# Altium PCB AUAV_X05.PcbDoc (part 2 of 5)
Units mm, origin at the board's own origin, x right, y up, seen from the top; angles counter-clockwise.
Board outline 44.99 x 99.99 mm, 4 copper layers (Top Layer, Int1 Layer, Int2 Layer, Bottom Layer), stack 1.587 mm thick; 376 components, 270 nets, 1466 pads, 1242 vias.
Unrouted connection lines stored in the file: 2.
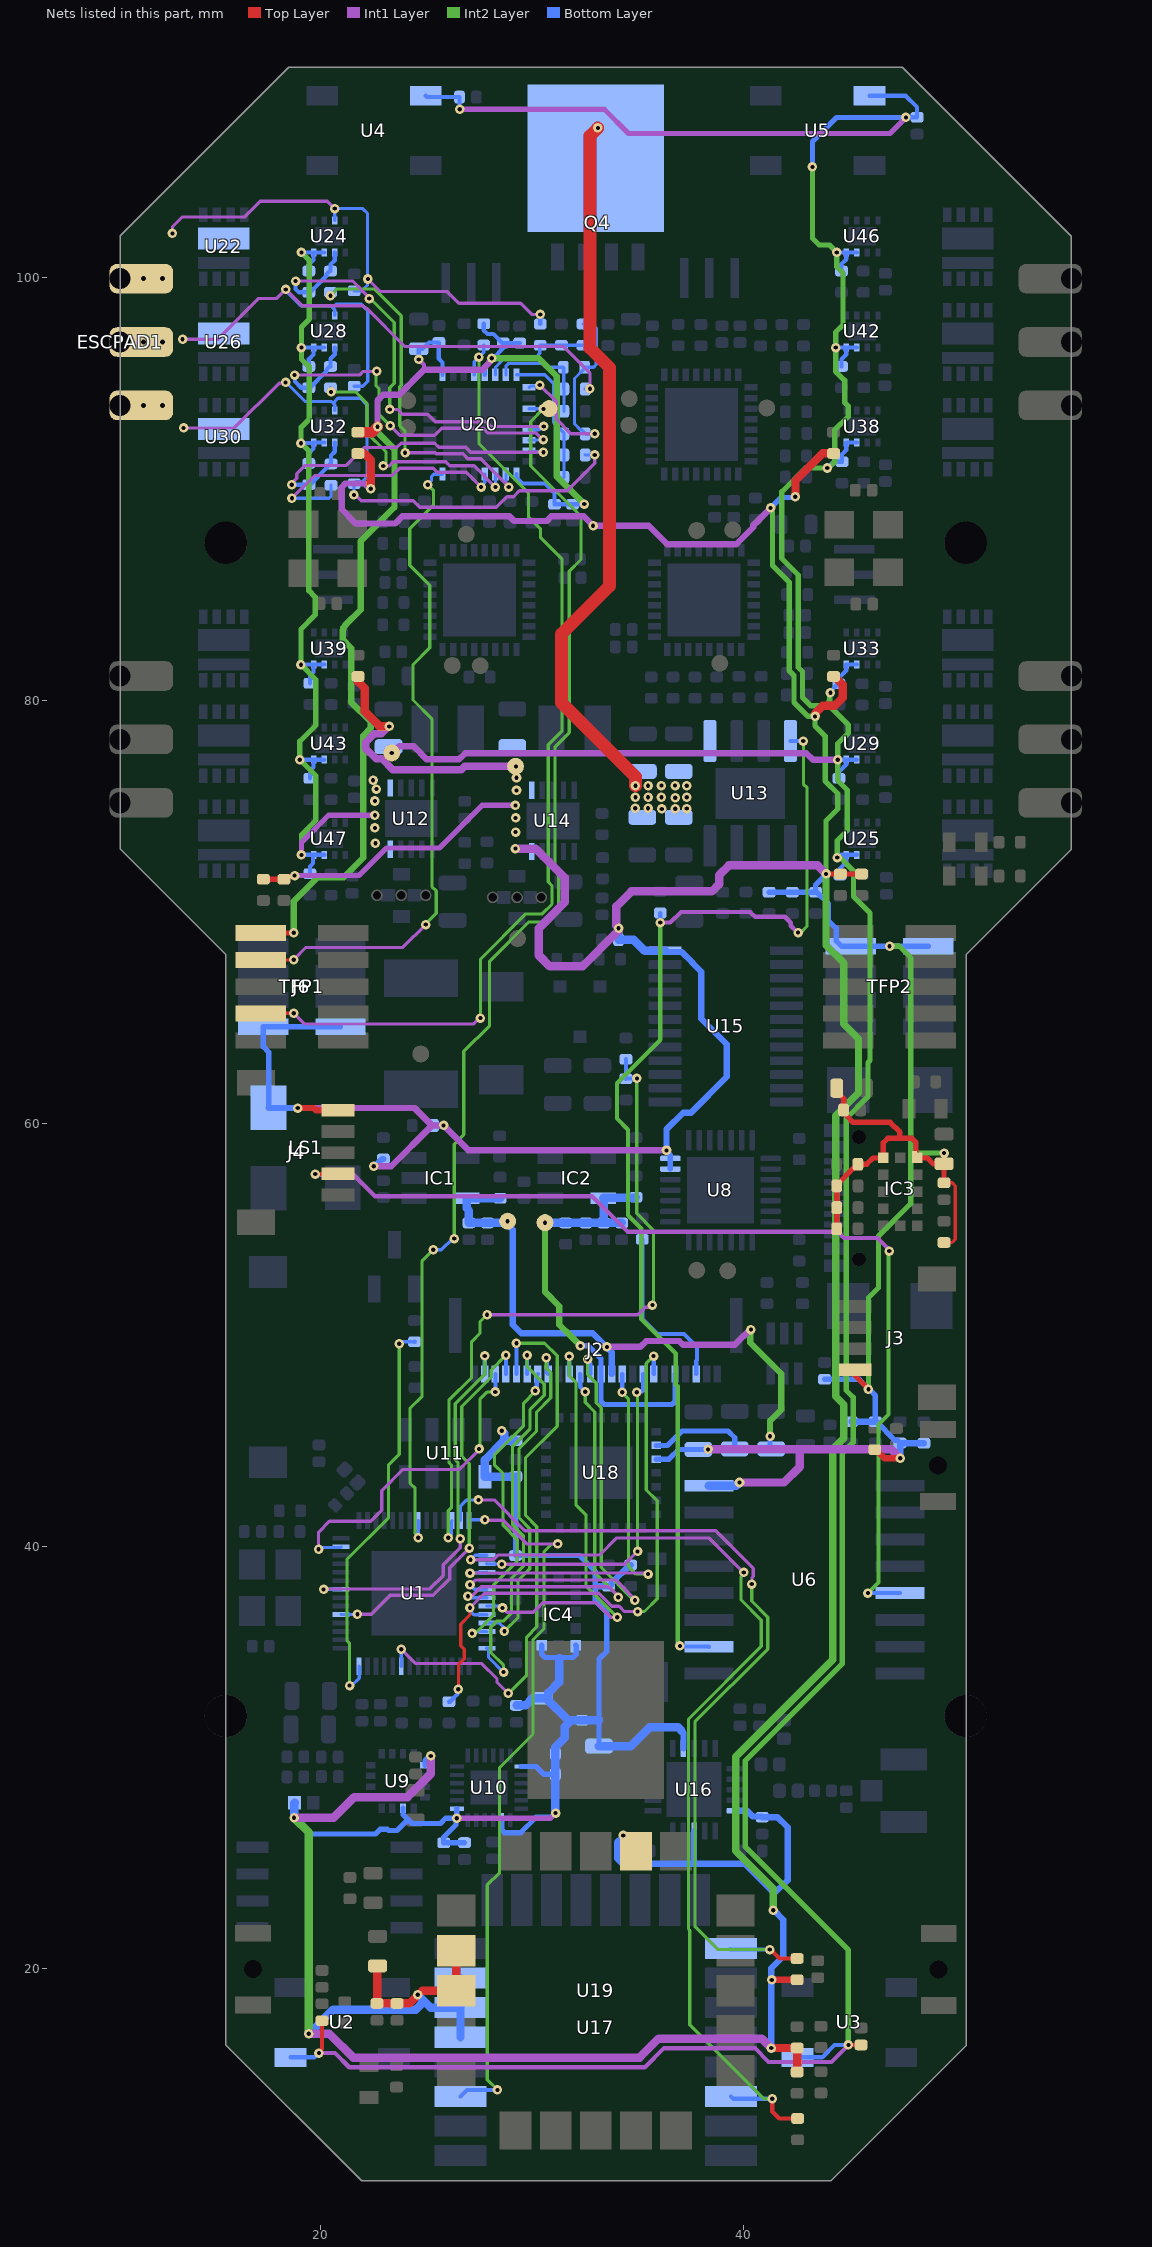
[diagram p4: the nets of this part, all layers, seen from the top]

## Part data
B1: Mfr_Name="Keystone Electronics", C="Copyright (C) 2018 Accelerated Designs. All rights reserved", Copyright="Copyright (C) 2022 Ultra Librarian. All rights reserved.", Manufacturer_Part_Number=1042P
C1 C2 C3 C4 C5 C6 C7 C8 C9 C10 C13 C14 C15 C16 C17 C18 C19 C20 C21 C23 C25 C26 C27 C28 C29 C30 C32 C33 C40 C44 C47 C48 C49 C50 C51 C52 C53 C55 C56 C58 C59 C61 C62 C63 C64 C65 C70 C72 C73 C74 C76 C78 C79 C80 C82 C83 C84 C85 C86 C88 C89 C90 C91 C92 C93 C94 C95 C96 C98 C100 C101 C102 C104 C105 C106 C107 C108 C110 C111 C112 C113 C114 C115 C116 C117 C118: library part CAP0402, "CAP CER 8PF 50V C0G 0402", 3DR_PARTNO=ECM0710, PARTNO=C1005C0G1H080C, Supplier Part Number 1=445-4890-1-ND, Supplier 1=Digi-Key
C11 C12 C34 C35 C36 C37 C38 C39 C41 C42 C43 C45 C46 C60 C67 C68 C69: library part CAP0805, "CAP CER 4.7UF 16V 10% X7R 0805", 3DR_PARTNO=ECM0622, PARTNO=CL21B475KOFNNNE, Supplier Part Number 1=1276-2873-1-ND, DATASHEET=http://www.digikey.com/product-detail/en/CL21B475KOFNNNE/1276-2873-2-ND/3888531, Supplier 1=Digi-Key
C22 C24 C31 C54 C57 C66 C71 C81 C87 C103 C109: library part CAP0603, "CAP CER 2.2UF 16V 10% X6S 0603", 3DR_PARTNO=ECM0619, PARTNO=C1608X6S1C225K080AC, Supplier Part Number 1=445-7438-1-ND, Supplier 1=Digi-Key
C75 C77 C97 C99: Manufacturer_Part_Number=T491A106K010AT, Mfr_Name=Kemet, Copyright="Copyright (C) 2022 Ultra Librarian. All rights reserved.", Digi-Key_Part_Number_1=399-3684-1-ND, Digi-Key_Part_Number_2=399-3684-2-ND, Digi-Key_Part_Number_3=399-3684-6-ND
D1: "Diode", Manufacturer_Name=Nexperia, Mouser Part Number=N/A, Datasheet Link=https://assets.nexperia.com/documents/data-sheet/PMEG3050BEP.pdf, Height=1mm, Manufacturer_Part_Number=PMEG3050BEP, Mouser Price/Stock=https://www.mouser.com/Search/Refine.aspx?Keyword=N%2FA
E1: "2.4GHz Chip RF Antenna 2.4GHz ~ 2.5GHz 2.2dBi Solder Surface Mount", Package="FBGA-1152 Johanson Technology", Availability=Unavailable, MF="Johanson Technology", MP=2450AT45A100E, Price=None, SnapEDA_Link=https://www.snapeda.com/parts/2450AT45A100E/Johanson%20Technology%20Inc./view-part/105265/?ref=snap
F1: Mfr_Name=Belfuse, Copyright="Copyright (C) 2022 Ultra Librarian. All rights reserved.", Digi-Key_Part_Number_1=507-1777-1-ND, Digi-Key_Part_Number_2=507-1777-2-ND, Digi-Key_Part_Number_3=507-1777-6-ND, Manufacturer_Part_Number=0ZCG0200FF2C
FB1: library part BLM15EX331SN1D, "0402 (1005) 330OHM 25% 1100MA", Current Rating (Max)=1.1A, Device Package="0402 (1005 Metric)", Manufacturer="Murata Electronics", Operating Temperature="-55°C ~ 125°C", Supplier Part Number 1=490-18371-1-ND, ComponentLink1Description=Datasheet, ComponentLink1URL=https://www.murata.com/en-us/products/productdata/8796750970910/ENFA0023.pdf, componentlink2description="DigiKey Link", componentlink2url=http://digikey.com/product-detail/en/murata-electronics/BLM15EX331SN1D/490-18371-1-ND/9955444, Filter Type="Signal Line", Height (Max)="0.022\" (0.55mm)", lastupdated="02-09-2020 01:18:11", Lifecycle Status=Active, Minimum Order=1, Mounting Type="Surface Mount", Number of Lines=1, Package / Case="0402 (1005 Metric)", packaging=TapeAndReel, Part Number=BLM15EX331SN1D, Part Status=Active, partid=364, Price=0.06, Size / Dimension="0.039\" L x 0.022\" W (1.00mm x 0.55mm)", Supplier 1=DigiKey
FL1 FL2: "SMD Capacitor with Capacitance: 0.22uF Tol. 20%. Rated Voltage: 10Vdc", Package=NONSTANDARD, Digi-Key_Part_Number=490-14852-1-ND, MF=Murata, MP=NFM21HC224R1A3D, SnapEDA_Link=https://www.snapeda.com/parts/NFM21HC224R1A3D/Murata/view-part/4381694/?ref=snap
IC1 IC2: "Integrated Circuit", Manufacturer_Name=SGMICRO, Height=1.25mm, Manufacturer_Part_Number=SGM2019-ADJYN5G-TR
IC3 IC4: "Integrated Circuit", Manufacturer_Name=STMicroelectronics, Datasheet Link=https://www.st.com/resource/en/datasheet/vl53l1x.pdf, Height=1.6mm, Manufacturer_Part_Number=VL53L1X
J1: "USB-C (USB TYPE-C) USB 2.0 Receptacle Connector 24 (16+8 Dummy) Position Surface Mount, Right Angle; Through Hole", Package=None, Availability=Warning, Check_prices=https://www.snapeda.com/parts/USB4110-GF-A/Global%20Connector%20Technology/view-part/4001167/?ref=eda, MF=GCT, MP=USB4110-GF-A, Price=None, Purchase-URL=https://pricing.snapeda.com/search/part/USB4110-GF-A/?ref=eda, SnapEDA_Link=https://www.snapeda.com/parts/USB4110-GF-A/Global%20Connector%20Technology/view-part/4001167/?ref=snap
J2: "CONN FFC FPC 24POS 0.50MM R/A", Manufacturer=Molex, Material Flammability Rating="UL94 V-0", Operating Temperature="-20°C ~ 85°C", Supplier Part Number 1=WM6240CT-ND, Voltage Rating=50V, Cable End Type="Straight, Tapered", ComponentLink1Description=Datasheet, ComponentLink1URL=https://www.molex.com/pdm_docs/sd/512810794_sd.pdf, componentlink2description="DigiKey Link", componentlink2url=http://digikey.com/product-detail/en/molex/0512812494/WM6240CT-ND/2185198, Connector/Contact Type="Contacts, Top and Bottom", Contact Finish=Gold, Contact Material="Phosphor Bronze", Features="Solder Retention", FFC, FCB Thickness=0.30mm, Flat Flex Type="FFC, FPC", Height Above Board="0.047\" (1.20mm)", Housing Material="Liquid Crystal Polymer (LCP), Glass Filled", lastupdated="26-05-2020 12:28:11", Lifecycle Status=Active, Minimum Order=1, Mounting Type="Surface Mount, Right Angle", Number of Positions=24, packaging=TapeAndReel, Part Number=0512812494, Part Status=Active, Pitch="0.020\" (0.50mm)", Price=0.71, series=51281, Supplier 1=DigiKey, Termination=Solder
J3: "Connector Header Surface Mount, Right Angle 4 position 0.039 _1.00mm_", Package=None, Availability=Unavailable, MF="JST Sales", MP=SM04B-SRSS-TB_LF__SN_, Price=None, SnapEDA_Link=https://www.snapeda.com/parts/SM04B-SRSS-TB%28LF%29%28SN%29/JST%20Sales%20America%20Inc./view-part/557466/?ref=snap
J4: "Connector Header Surface Mount, Right Angle 5 position 0.039 (1.00mm)", Package=None, Availability="In Stock", Check_prices=https://www.snapeda.com/parts/SM05B-SRSS-TB(LF)(SN)/JST+Sales+America+Inc./view-part/?ref=eda, MF="JST Sales", MP=SM05B-SRSS-TB(LF)(SN), Price=None, SnapEDA_Link=https://www.snapeda.com/parts/SM05B-SRSS-TB(LF)(SN)/JST+Sales+America+Inc./view-part/?ref=snap
J5: "MHF1 Straight Surface Mount Jack, Tape and Reel", Package=None, Availability="In Stock", Check_prices=https://www.snapeda.com/parts/CONUFL001-SMD-T/Linx+Technologies+Inc./view-part/?ref=eda, MF="Linx Technologies", MP=CONUFL001-SMD-T, Price=None, Purchase-URL=https://pricing.snapeda.com/search/part/CONUFL001-SMD-T/?ref=eda, SnapEDA_Link=https://www.snapeda.com/parts/CONUFL001-SMD-T/Linx+Technologies+Inc./view-part/?ref=snap
J6 J7: Manufacturer_Part_Number=20021121-00010C4LF, Mfr_Name="Amphenol ICC", Copyright="Copyright (C) 2022 Ultra Librarian. All rights reserved.", Digi-Key_Part_Number_1=609-3695-1-ND, Digi-Key_Part_Number_2=609-3695-2-ND, Digi-Key_Part_Number_3=609-3695-2-NDL, Digi-Key_Part_Number_4=609-3695-6-ND
L1 L4 L5 L6: library part IND0402, "39nH Unshielded Multilayer Inductor 200mA 1.3Ohm Max 0402 (1005 Metric)", Package="0402-2 Abracon", Availability="In Stock", Check_prices=https://www.snapeda.com/parts/AIMC-0402-39NJ-T/Abracon%20LLC/view-part/1612276/?ref=eda, MF="Abracon LLC", MP=AIMC-0402-39NJ-T, Price=None, Purchase-URL=https://pricing.snapeda.com/search/part/AIMC-0402-39NJ-T/?ref=eda, SnapEDA_Link=https://www.snapeda.com/parts/AIMC-0402-39NJ-T/Abracon%20LLC/view-part/1612276/?ref=snap
L2 L3: "INDUCTOR, 1.5UH, 20%, 1.5A, 50MHZ, 1008", Package=None, Availability=Unavailable, MP=LQM2HPN1R5MG0L, Price=None
LED1 LED2 LED3 LED4 LED5: library part LED0603, "LED 1.6X0.8 DOME ORN CLEAR SMD", 3DR_PARTNO=ECM0515, PARTNO=APTD1608SECK, Supplier Part Number 1=754-1802-1-ND, Supplier 1=Digi-Key
LS1: "AUDIO MAGNETIC XDCR 2-4V SMD", Current - Supply=95mA, Frequency=4kHz, Manufacturer="CUI Devices", Operating Mode="Single Tone", Operating Temperature="-30°C ~ 70°C", Supplier Part Number 1=102-2201-1-ND, Voltage - Rated=3V, Voltage Range="2 ~ 4V", ComponentLink1Description=Datasheet, ComponentLink1URL=https://www.cuidevices.com/product/resource/digikeypdf/css-0575a-smt-tr.pdf, componentlink2description="DigiKey Link", componentlink2url=http://digikey.com/product-detail/en/cui-devices/CSS-0575A-SMT-TR/102-2201-1-ND/2364650, Driver Circuitry="Transducer, Externally Driven", Height - Seated (Max)="0.094\" (2.40mm)", Input Type="Zero-Peak Signal", lastupdated="24-04-2020 00:39:31", Lifecycle Status=Active, Minimum Order=1, Mounting Type="Surface Mount", packaging=TapeAndReel, Part Number=CSS-0575A-SMT-TR, Part Status=Active, Port Location=Top, Price=1.50, series=CSS, Size / Dimension="0.197\" L x 0.197\" W (5.00mm x 5.00mm)", Sound Pressure Level (SPL)="76dB @ 3V, 10cm", Supplier 1=DigiKey, Technology=Magnetic, Termination="Solder Pads"
Q1: "Transistor BJT NPN", Manufacturer_Name="ON Semiconductor", Mouser Part Number=863-BC847BDW1T3G, Arrow Part Number=BC847BDW1T3G, Arrow Price/Stock=https://www.arrow.com/en/products/bc847bdw1t3g/on-semiconductor?region=nac, Datasheet Link=http://www.onsemi.com/pub/Collateral/BC846BDW1T1-D.PDF, Height=1.1mm, Manufacturer_Part_Number=BC847BDW1T3G, Mouser Price/Stock=https://www.mouser.co.uk/ProductDetail/ON-Semiconductor/BC847BDW1T3G?qs=vNc2DXHODiIkZomKfHKn%252Bg%3D%3D
Q2: "MOSFET (N-Channel)", Manufacturer_Name=Vishay, Datasheet Link=https://www.vishay.com/doc?67036, Height=1.12mm, Manufacturer_Part_Number=SQ2310ES-T1
Q3: "MOSFET (P-Channel)", Arrow Part Number=SSM3J334R,LF(T, Manufacturer_Name=Toshiba, Arrow Price/Stock=https://www.arrow.com/en/products/ssm3j334rlf-t/toshiba, Datasheet Link=http://toshiba.semicon-storage.com/info/docget.jsp?did=5579&prodName=SSM3J334R, Height=0.88mm, Manufacturer_Part_Number=SSM3J334R,LF(T
Q4: "P-Channel 20V 60A (Tc) 2.3W (Ta) Surface Mount PowerDI5060-8 (Type K)", Package="PowerTDFN-8 Diodes Incorporated", Check_prices=https://www.snapeda.com/parts/DMP2002UPS-13/Diodes%20Inc./view-part/761846/?ref=eda, Digi-Key_Part_Number=DMP2002UPS-13DICT-ND, MF="Diodes Inc.", MP=DMP2002UPS-13, SnapEDA_Link=https://www.snapeda.com/parts/DMP2002UPS-13/Diodes%20Inc./view-part/761846/?ref=snap
R1 R2 R4 R5 R6 R9 R10 R13 R14 R15 R16 R17 R18 R19 R20 R21 R22 R23 R24 R25 R26 R27 R28 R29 R30 R31 R32 R33 R34 R35 R36 R37 R38 R39 R40 R41 R42 R43 R44 R45 R46 R47 R48 R49 R50 R51 R52 R53 R54 R55 R56 R57 R58 R59 R60 R61 R62 R63 R64 R65 R66 R67 R68 R69 R70 R71 R72 R73 R74 R75 R76 R77 R78 R79 R80 R81 R82 R83 R84 R85 R86 R87 R88 R89 R90 R91 R92 R93 R94 R95 R96 R97 R98 R99 R100 R101 R102 R103 R104 R105 R106 R107 R108 R109 R110 R111 R112 R113 R114 R115 R116 R117 R118 R119 R120 R121 R122 R123 R124 R125 R126 R127 R128 R129 R130 R131 R132 R133 R134 R135 R136 R137 R138 R139 R140 R141 R142 R143 R144 R145 R146 R148: library part RESISTOR0402-RES, "RES 10K OHM 1/16W 1% 0402 SMD", 3DR_PARTNO=ECM0800, PARTNO=RC0402FR-0710KL, Supplier Part Number 1=311-10.0KLRCT-ND, Supplier 1=Digi-Key
S1 S2 S3: "Switch", Manufacturer_Name="Omron Electronics", Mouser Part Number=653-B3U-3000P-B, Arrow Part Number=B3U-3000P-B, Arrow Price/Stock=https://www.arrow.com/en/products/b3u-3000p-b/omron?region=nac, Datasheet Link=https://componentsearchengine.com/Datasheets/2/B3U-3000P-B.pdf, Height=1.35mm, Manufacturer_Part_Number=B3U-3000P-B, Mouser Price/Stock=https://www.mouser.co.uk/ProductDetail/Omron-Electronics/B3U-3000P-B?qs=AO7BQMcsEu4JAdtnbsGArA%3D%3D
U1: "SMD WI-FI IC, ESP32-S2, SINGAL-C", Package=None, Availability=Unavailable, MF="Espressif Systems", MP=ESP32-S2, Price=None, SnapEDA_Link=https://www.snapeda.com/parts/ESP32-S2/Espressif%20Systems/view-part/4571535/?ref=snap
U2 U3 U4 U5: "Intelligent control LED integrated light source", Package=Package, Availability=Unavailable, Check_prices=https://www.snapeda.com/parts/WS2812B-B/Worldsemi/view-part/5799638/?ref=eda, MF=Worldsemi, MP=WS2812B-B, Price=None, SnapEDA_Link=https://www.snapeda.com/parts/WS2812B-B/Worldsemi/view-part/5799638/?ref=snap
U6: Mfr_Name="Texas Instruments", Copyright="Copyright (C) 2022 Ultra Librarian. All rights reserved.", Digi-Key_Part_Number_1=296-21759-1-ND, Digi-Key_Part_Number_2=296-21759-2-ND, Digi-Key_Part_Number_3=296-21759-6-ND, Digi-Key_Part_Number_4=2156-PCA9534ADWR-ND, Manufacturer_Part_Number=PCA9534ADWR
U7: Mfr_Name=Winbond, C="Copyright (C) 2021 Accelerated Designs. All rights reserved", Copyright="Copyright (C) 2022 Ultra Librarian. All rights reserved.", Digi-Key_Part_Number_1=W25Q128JVSIQ-ND, Manufacturer_Part_Number=W25Q128JVSIQ
U8: "USB Bridge, USB to UART USB 2.0 UART Interface 28-QFN _5x5_", Package="QFN-28 Silicon Labs", Availability=Unavailable, MF="Silicon Labs", MP=CP2102-GM, Price=None, SnapEDA_Link=https://www.snapeda.com/parts/CP2102-GM/Silicon%20Labs/view-part/135876/?ref=snap
U10: library part MPU6500
U11: library part MS5611-01BA03
U12: library part ADP2504ACPZ-5.0-R7, Mfr_Name="Analog Devices Inc", Copyright="Copyright (C) 2022 Ultra Librarian. All rights reserved.", Manufacturer_Part_Number=ADP2504ACPZ-5.0-R7
U13: "Complete single cell Li-Ion battery with a constant current / constant voltage linear charger", Package=Package, Availability="No availability data", Check_prices=https://www.snapeda.com/parts/TP4056%20/NanJing%20Top%20Power%20ASIC%20Corp./view-part/2888426/?ref=eda, MF="NanJing Top Power ASIC Corp.", MP=TP4056, Price=None, SnapEDA_Link=https://www.snapeda.com/parts/TP4056%20/NanJing%20Top%20Power%20ASIC%20Corp./view-part/2888426/?ref=snap
U14: library part ADP2504ACPZ-3.3-R7, Mfr_Name="Analog Devices Inc", Copyright="Copyright (C) 2022 Ultra Librarian. All rights reserved.", Manufacturer_Part_Number=ADP2504ACPZ-3.3-R7
U15: "Low-Voltage 8-Channel I2C Switch With Reset", Package="TSSOP-24 Texas Instruments", Arrow_Electronics-Purchase-URL=https://snapeda.com/shop?store=Arrow+Electronics&id=280817, Availability=Unavailable, DigiKey-Purchase-URL=https://snapeda.com/shop?store=DigiKey&id=280817, MF="Texas Instruments", Mouser-Purchase-URL=https://snapeda.com/shop?store=Mouser&id=280817, MP=TCA9548APWR, Price=None, SnapEDA_Link=https://www.snapeda.com/parts/TCA9548APWR/Texas%20Instruments/view-part/280817/?ref=snap, Texas_Instruments-Purchase-URL=https://snapeda.com/shop?store=Texas+Instruments&id=280817
U16: "IC RF TxRx Only General ISM > 1GHZ 2.4GHz 20-VFQFN Exposed Pad", Package="QFN-20 Nordic Semiconductor", Availability=Unavailable, MF="Nordic Semiconductor", MP=NRF24L01+, Price=None, SnapEDA_Link=https://www.snapeda.com/parts/NRF24L01%2B/Nordic%20Semiconductor%20ASA/view-part/1023904/?ref=snap
U17: "802.15.4 IR-UWB Transceiver Module 3.5GHz ~ 6.5GHz Integrated, Chip Surface Mount", Package="Module Decawave", Availability=Unavailable, MF="Decawave Limited", MP=DWM1000, Price=None, SnapEDA_Link=https://www.snapeda.com/parts/DWM1000/Decawave%20Limited/view-part/327593/?ref=snap
U18: Mfr_Name=PixArt, C="Copyright (C) 2018 Accelerated Designs. All rights reserved", Copyright="Copyright (C) 2022 Ultra Librarian. All rights reserved.", Manufacturer_Part_Number=PMW3901MB-TXQT
U19: "Concurrent GNSS LGA antenna module, TCXO, SAW, LNA", Package="SMD-20 u-blox", Availability="Not in stock", Check_prices=https://www.snapeda.com/parts/SAM-M8Q-0-10/U-Blox%20America%20Inc./view-part/4176901/?ref=eda, MF="U-Blox America", MP=SAM-M8Q-0-10, Price=None, SnapEDA_Link=https://www.snapeda.com/parts/SAM-M8Q-0-10/U-Blox%20America%20Inc./view-part/4176901/?ref=snap
U20 U21 U34 U36: Mfr_Name=STMicroelectronics, C="Copyright (C) 2016 Accelerated Designs. All rights reserved", Copyright="Copyright (C) 2022 Ultra Librarian. All rights reserved.", Manufacturer_Part_Number=STM32F031K6U6
U22 U23 U26 U27 U30 U31 U35 U37 U40 U41 U44 U45: Mfr_Name=Vishay, C="Copyright (C) 2018 Accelerated Designs. All rights reserved", Copyright="Copyright (C) 2022 Ultra Librarian. All rights reserved.", Digi-Key_Part_Number_1=742-SIZ340ADT-T1-GE3TR-ND, Digi-Key_Part_Number_2=742-SIZ340ADT-T1-GE3CT-ND, Digi-Key_Part_Number_3=742-SIZ340ADT-T1-GE3DKR-ND, Manufacturer_Part_Number=SIZ340ADT-T1-GE3
U24 U25 U28 U29 U32 U33 U38 U39 U42 U43 U46 U47: Manufacturer_Part_Number=ISL6208BCRZ-TCT-ND, Mfr_Name="Renesas Electronics", C="Copyright (C) 2016 Accelerated Designs. All rights reserved", Copyright="Copyright (C) 2022 Ultra Librarian. All rights reserved.", Digi-Key_Part_Number_1=ISL6208BCRZ-TCT-ND
X1: library part OSCILLATOR-3.2X2.5, "CRYSTAL 24MHZ 8PF SMD", 3DR_PARTNO=ECM0708, PARTNO=NX3225SA-24.000MHZ-STD-CSR-1, Supplier Part Number 1=644-1052-1-ND, Supplier 1=Digi-Key
Y1: "16MHz Ceramic Resonator Built in Capacitor 15pF Â±0.3% 40 Ohms -40Â°C ~ 85Â°C Surface Mount", Package="SMD-3 Murata", Availability=Warning, Check_prices=https://www.snapeda.com/parts/CSTNE16M0V530000R0/Murata%20Electronics%20North%20America/view-part/2773601/?ref=eda, MF="Murata Electronics", MP=CSTNE16M0V530000R0, Price=None, Purchase-URL=https://pricing.snapeda.com/search/part/CSTNE16M0V530000R0/?ref=eda, SnapEDA_Link=https://www.snapeda.com/parts/CSTNE16M0V530000R0/Murata%20Electronics%20North%20America/view-part/2773601/?ref=snap
Y2 Y3 Y4 Y5: "8MHz Ceramic Resonator Built in Capacitor 33pF Â±0.2% 40 Ohms -40Â°C ~ 85Â°C Surface Mount", Package="SMD-3 Murata", Availability=Good, Check_prices=https://www.snapeda.com/parts/CSTNE8M00G550000R0/Murata%20Electronics%20North%20America/view-part/2842151/?ref=eda, MF="Murata Electronics", MP=CSTNE8M00G550000R0, Price=None, Purchase-URL=https://pricing.snapeda.com/search/part/CSTNE8M00G550000R0/?ref=eda, SnapEDA_Link=https://www.snapeda.com/parts/CSTNE8M00G550000R0/Murata%20Electronics%20North%20America/view-part/2842151/?ref=snap

## Free pads (board coordinates)
  round 2 hole 2: 69(15.525,87.464) 70(50.525,87.464) 71(15.525,31.963) 72(50.525,31.963)

## Via types
v1: diameter 0.45, hole 0.2, Top Layer to Bottom Layer, tented both sides, 1213 vias
v2: diameter 0.5, hole 0.25, Top Layer to Bottom Layer, 24 vias
v3: diameter 0.45, hole 0.2, Top Layer to Bottom Layer, 5 vias

## Nets (pads, with @x,y where several pads share a name; then routed paths per layer and width w, separated by ;. In a path a pad name is that pad's centre, name@x,y a point inside that pad or via, vN(x,y) a via of type N, cw(c..) or ccw(c..) an arc to the next point about the centre after c; other vN are vias at no path point)
1V8: C48.P$2 C50.P$2 C67.P$1 C68.P$1 IC1.5 J2.14 R37.P$2 TP8.1 U18.2 | length 35.9
  Int1 Layer w0.3: v1(33.55,49.425) 35.139,49.425 35.414,49.7 36.975,49.7 37.15,49.525 39.607,49.525 40.322,50.241 v1(40.363,50.241)
  Int2 Layer w0.3: v1(40.363,50.241) 40.328,50.205 40.328,49.622 41.8,48.15 41.8,46.454 41.271,45.925 v1(41.271,45.2)
  Bottom Layer w0.25: U18.2@35.879,44.763 36.413,44.763 37.1,45.45 39.275,45.45 39.6,45.125 C68.P$1@39.6,44.599 C67.P$1@41.325,44.599 41.271,44.654 v1(41.271,45.2)
  Bottom Layer w0.3: v1@28.77,55.288 29.1,54.959 29.1,50.475 29.5,50.075 32.875,50.075 33.537,49.412 33.775,49.175 J2.14@33.775,48.138
  Bottom Layer w0.4: R37.P$2@28.5,56.455 28.496,56.459 26.929,56.459 IC1.5@26.925,56.463 26.925,55.975 27.025,55.875 C50.P$2@27.025,55.288 C48.P$2@27.9,55.288 v1@28.77,55.288
  other v1: 28.855,55.373
2V8: C49.P$2 C51.P$2 C53.P$2 IC2.5 J2.13 J2.20 R39.P$1 R41.P$2 TP9.1 | length 21.1
  Int2 Layer w0.3: v1(30.625,55.3) 30.625,52.025 31.3,51.35 31.3,50.473 31.857,49.916 v1(32.3,49.473)
  Bottom Layer w0.25: v1(32.3,49.473) 32.677,49.473 33.275,48.875 J2.13@33.275,48.138 33.275,46.846 33.422,46.7 36.629,46.7 36.775,46.846 J2.20@36.775,48.138
  Bottom Layer w0.4: v1(30.625,55.3) 30.637,55.288 R39.P$1@31.6,55.288 C51.P$2@32.55,55.288 C49.P$2@33.4,55.288 ; C53.P$2@34.25,55.288 C49.P$2@33.4,55.288 ; R41.P$2@34.925,56.506 34.904,56.484 33.396,56.484 IC2.5@33.375,56.463 33.4,56.438 C49.P$2@33.4,55.288
3V3: C21.P$2 C22.P$2 C23.P$1 C26.P$1 C27.P$1 C28.P$1 C29.P$1 C33.P$1 C45.P$1 C54.P$1 C55.P$2 C56.P$2 C57.P$1 C58.P$2 C59.P$2 C60.P$2 C66.P$1 C69.P$1 C70.P$1 C73.P$1 C74.P$1 FB1.1 IC3.1 IC3.11 IC3.13 IC4.1 IC4.11 IC4.13 J3.1 J4.1 LS1.- R13.P$2 R18.P$1 R19.P$1 R43.P$1 R44.P$1 R45.P$1 R46.P$1 R47.P$1 R48.P$1 R49.P$1 R50.P$1 R51.P$1 R52.P$1 R53.P$1 R54.P$2 R55.P$1 R56.P$2 R57.P$1 R58.P$1 R59.P$1 R60.P$1 R61.P$1 R63.P$2 R65.P$1 R66.P$2 R67.P$2 R81.P$2 R82.P$2 R119.P$2 R120.P$2 TFP1.4 TFP2.1 TP5.1 U6.16 U8.6 U8.7 U9.2 U9.13 U10.1 U10.8 U10.13 U11.1 U14.1 U14.10 U15.24 U16.7 U16.15 U16.18 U17.5 U17.6 U17.7 U18.3 U19.2 U19.3 U19.17 | length 444.9
  Top Layer w0.153: R51.P$1@49.5,54.364 49.882,54.364 50.034,54.516 50.034,57.036 49.882,57.188 C55.P$2@49.5,57.188
  Top Layer w0.25: R57.P$1@17.3,71.55 18.327,71.55 18.455,71.678 18.693,71.678 18.736,71.721 v1(18.777,71.721) ; v1(43.918,71.8) R43.P$1@44.6,71.8 R58.P$1@45.6,71.8 ; R52.P$1@44.425,55.013 R53.P$1@44.425,56.013 R46.P$1@44.425,57.038 44.425,57.089 45.221,57.885 45.296,57.885 45.425,58.014 R18.P$1@45.425,58.063 45.838,58.063 46.138,58.363 IC3.11@46.625,58.363 46.625,59.079 46.838,59.291 47.411,59.291 ; C22.P$2@44.425,61.664 44.425,61.496 44.75,61.171 C23.P$1@44.75,60.638 44.878,60.511 44.878,60.37 45.201,60.047 46.953,60.047 47.411,59.589 47.411,59.291 ; J3.1@45.3,48.339 45.3,48.05 v1(45.925,47.425) ; C54.P$1@49.5,58.089 v1(49.5,58.593) ; C55.P$2@49.5,57.188 C54.P$1@49.5,58.088 48.987,58.088 48.712,58.363 IC3.1@48.225,58.363 48.175,58.414 48.175,59.1 47.984,59.291 47.411,59.291
  Top Layer w0.3: v1(18.925,60.725) 19.675,60.725 19.787,60.614 J4.1@20.825,60.614 ; v1(41.35,19.475) 41.353,19.478 42.548,19.478 R63.P$2@42.55,19.48 ; R19.P$1@46.225,44.563 46.276,44.563 46.682,44.157 v1(47.425,44.157)
  Top Layer w0.4: R120.P$2@21.775,81.142 21.775,80.9 22.1,80.575 22.1,79.475 22.79,78.785 23.24,78.785 v1(23.25,78.775) ; R81.P$2@21.775,91.692 22.075,91.692 22.375,91.392 v1(22.375,90.025) ; C66.P$1@22.7,20.138 22.688,20.126 22.688,18.376 C73.P$1@22.675,18.363 C74.P$1@23.625,18.363 24.213,18.363 v1@24.612,18.762 ; 24.814,18.964 U19.3@26.425,18.964 U19.2@26.425,20.863 ; v1(41.325,16.25) 41.33,16.255 R66.P$2@42.55,16.255 R67.P$2@42.55,15.122 ; v1(42.467,89.642) 42.475,89.65 42.475,90.413 43.754,91.692 R119.P$2@44.275,91.692 ; v1(43.4,79.254) 43.4,79.39 43.76,79.75 44.325,79.75 44.706,80.131 44.706,80.762 44.326,81.142 R82.P$2@44.275,81.142
  Int1 Layer w0.25: v1(18.777,71.721) 21.821,71.721 23.125,73.025 25.625,73.025 27.642,75.042 v1(29.226,75.042) ; v1(26.446,27.125) 30.879,27.125 v1(31.125,27.371)
  Int1 Layer w0.3: v1(18.925,60.725) 24.45,60.725 25.275,59.9 ; v1(22.375,90.025) 22.334,90.025 22.088,90.271 21.176,90.271 21,90.095 21,89.05 21.675,88.375 23.525,88.375 23.875,88.725 28.946,88.725 29.172,88.499 30.698,88.499 30.924,88.725 32.45,88.725 v1(32.9,88.275) 35.525,88.275 36.4,87.4 39.67,87.4 40.469,88.199 40.469,88.284 v1(41.298,89.112) ; v1(22.525,57.975) 23.35,57.975 25.275,59.9 ; v1(36.371,58.722) 27.003,58.722 v1(25.825,59.9) 25.275,59.9
  Int1 Layer w0.35: v1(23.25,78.775) 23.223,78.775 22.873,78.425 22.55,78.425 22.145,78.02 22.145,77.73 22.635,77.24 22.909,77.24 23.423,76.726 26.656,76.726 26.818,76.888 v1(29.254,76.888)
  Int1 Layer w0.4: v1(18.75,27.15) 20.625,27.15 21.6,28.125 24.125,28.125 25.219,29.219 v1(25.219,30.075) ; v1(19.45,16.925) 20.425,16.925 21.55,15.8 35.1,15.8 36,16.7 40.875,16.7 v1(41.325,16.25) ; v1(29.225,73) 30.175,73 31.55,71.625 31.55,70.45 30.325,69.225 30.325,67.95 30.85,67.425 32.4,67.425 34.104,69.129 34.104,69.239 34,69.342 34,70.262 34.713,70.975 38.517,70.975 38.863,71.321 38.863,71.738 39.325,72.2 43.518,72.2 v1(43.918,71.8) ; v1(38.341,44.575) 42.674,44.575 ; v1(39.825,43.009) 41.934,43.009 42.674,43.749 42.674,44.575 ; v1(47.425,44.157) 47.007,44.575 42.674,44.575
  Int2 Layer w0.25: v1(41.298,89.112) 41.336,89.074 41.336,88.932 41.382,88.886 41.382,86.395 42.175,85.602 42.175,81.425 42.406,81.194 42.406,79.919 43.071,79.254 v1(43.4,79.254) 43.4,78.8 43.875,78.325 43.875,76.2 44.473,75.602 44.473,74.873 44.175,74.575 43.918,74.318 v1(43.918,71.8) ; v1(45.925,47.425) 45.925,51.75 46.398,52.223 46.398,54.673 47.925,56.2 47.925,58.625 ; v1(46.923,68.378) 47.391,68.378 47.925,67.845 47.925,58.625 ; v1(49.5,58.593) 47.957,58.593 47.925,58.625